# Allegro board WNS_FDM_2V1-1221P2.brd (continued)
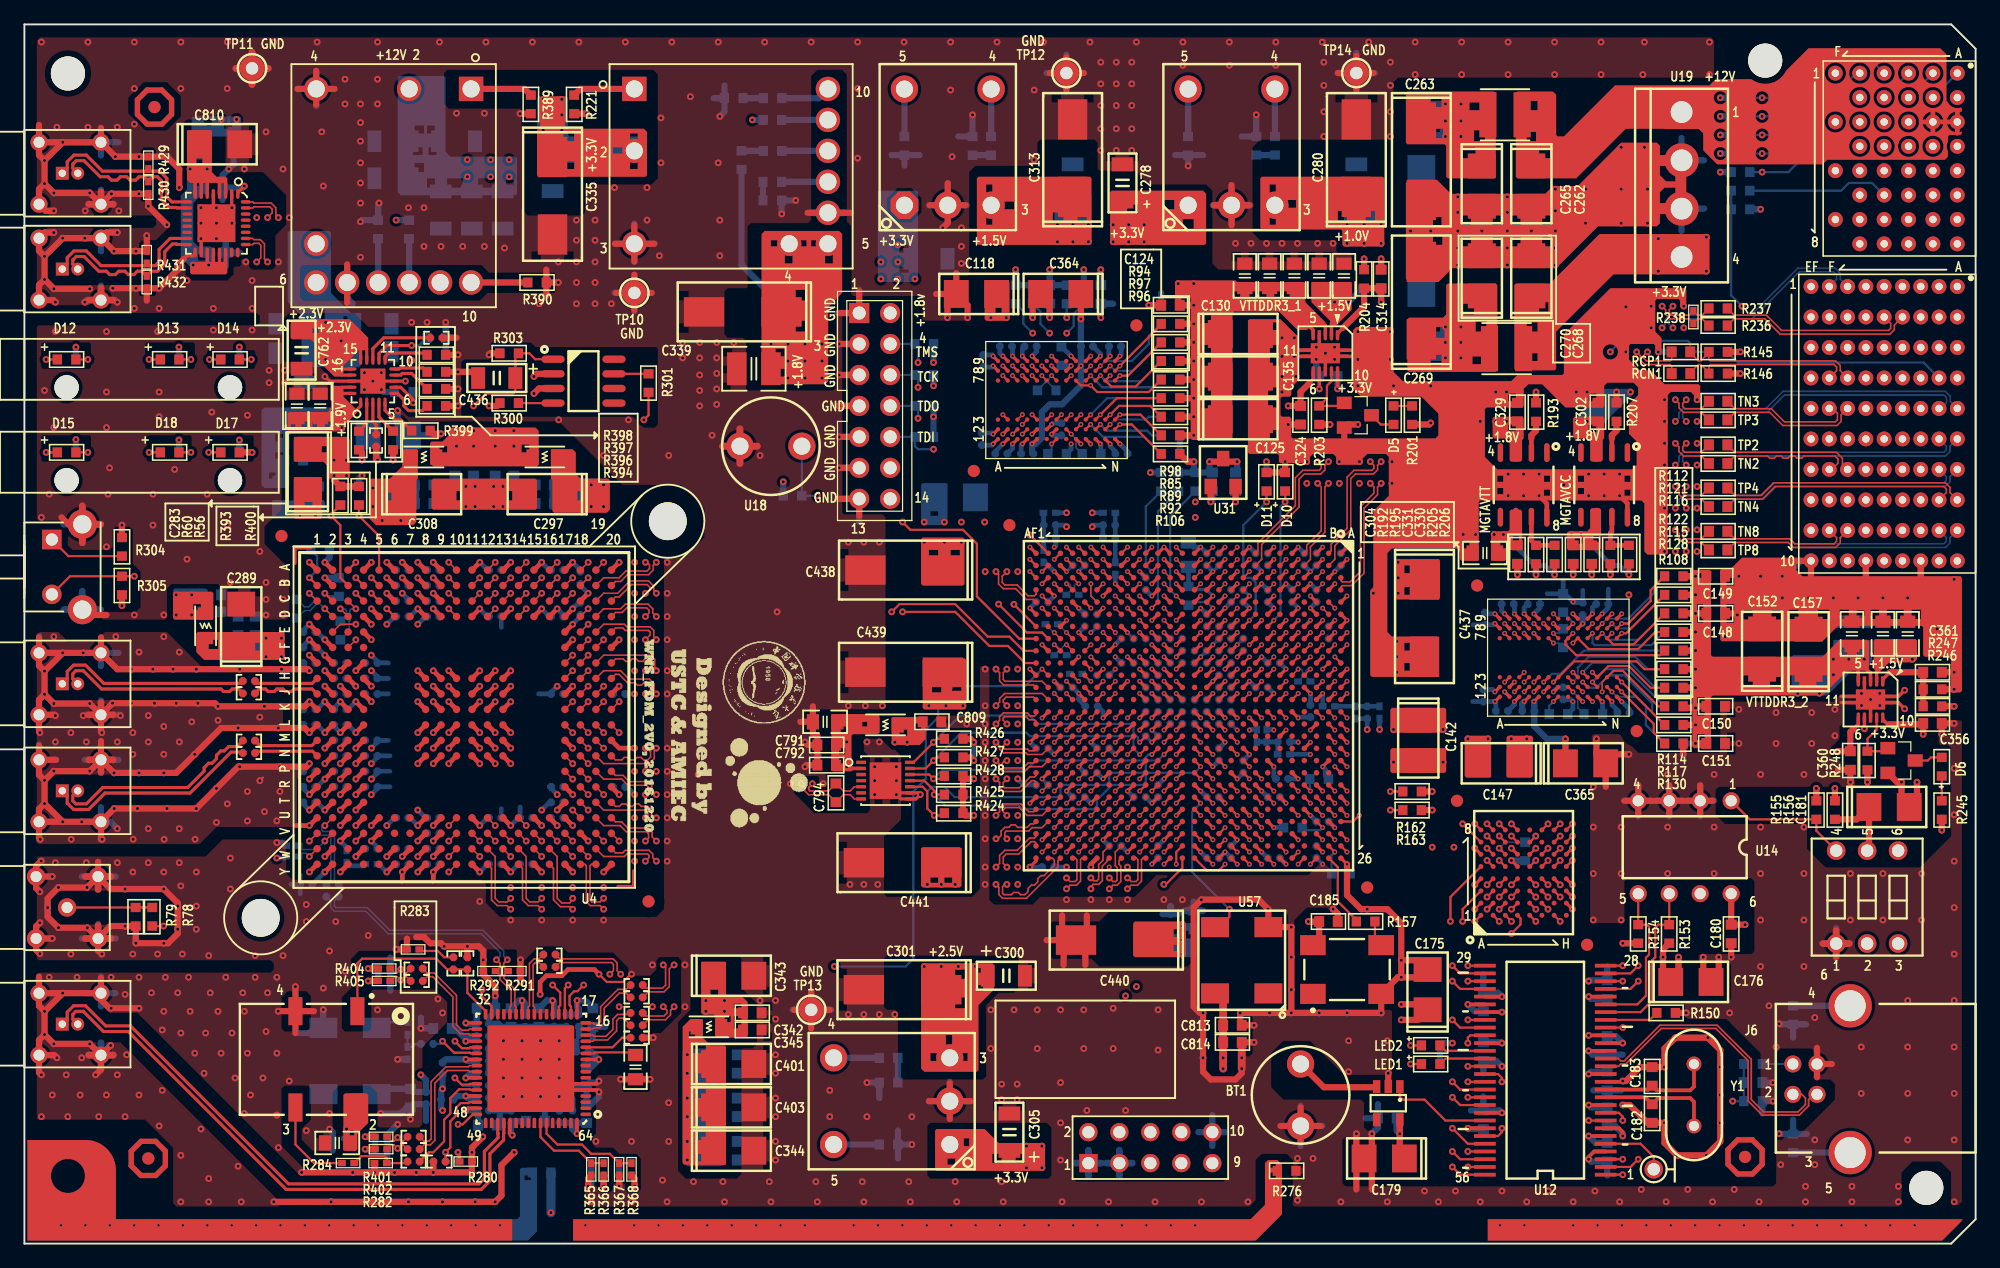
[diagram p0: board, top side]
## Placement (name value [footprint] x y rotation side) (continued)
NOREF  -  [unnamed]  3.57 95.97 0 top
NOREF#2  -  [#2]  158 0 90 top
NOREF#3  -  [unnamed#3]  80.77 58.93 0 top
NOREF#4  -  [unnamed#3]  51.18 28.07 0 top
NOREF#5  -  [unnamed#3]  141.1 7.11 0 top
NOREF#6  -  [unnamed#4]  16.86 64.9 270 top
NOREF#7  -  [unnamed]  142.75 97.03 0 top
NOREF#8  -  [unnamed]  155.96 4.57 0 top
NOREF#9  -  [unnamed#3]  128.14 24.51 0 top
NOREF#10  -  [unnamed#3]  91.19 75.31 0 top
NOREF#11  -  [unnamed#3]  132.21 42.04 0 top
NOREF#12  -  [unnamed#3]  110.11 29.21 0 top
NOREF#13  -  [unnamed#3]  21.08 58.04 0 top
NOREF#14  -  [#2]  0 0 0 top
NOREF#15  -  [unnamed#3]  77.85 63.37 0 top
NOREF#16  -  [unnamed#3]  10.67 93.22 0 top
NOREF#17  -  [unnamed#4]  16.86 72.52 270 top
NOREF#18  -  [#2]  160 2 90 top
NOREF#19  -  [unnamed#3]  117.47 36.32 0 top
NOREF#20  -  [unnamed#3]  10.16 6.99 0 top
NOREF#21  -  [unnamed#3]  119.13 53.98 0 top
NOREF#22  -  [unnamed#5]  36.07 43.18 270 top
NOREF#23  -  [#2]  0 0 0 top
NOREF#24  -  [unnamed#3]  10.16 6.99 180 bottom
NOREF#25  -  [unnamed#3]  141.1 7.11 180 bottom
NOREF#26  -  [unnamed#3]  10.67 93.22 180 bottom
Q1  AO3400  [SOT-23]  109.35 67.94 270 top
Q2  AO3400  [SOT-23]  153.92 39.62 270 top
R47  3.3k_0.1%  [SR0603]  25.91 50.29 90 bottom
R48  3.3k_0.1%  [SR0603]  22.35 52.07 270 bottom
R52  1k  [SR0402]  21.97 32.64 180 bottom
R53  1k  [SR0402]  21.97 31.75 180 bottom
R54  5k  [SR0603]  24.26 56.9 0 bottom
R56  1k  [SR0603]  27.43 61.34 90 top
R57  1k  [SR0603]  27.43 61.34 90 bottom
R58  1k  [SR0402]  26.42 31.75 90 bottom
R59  1k  [SR0402]  28.45 31.11 0 bottom
R60  1k  [SR0603]  25.91 61.34 90 top
R61  1k  [SR0603]  25.91 61.34 90 bottom
R78  0  [SR0603]  10.48 26.81 270 top
R79  open  [SR0603]  9.13 26.81 270 top
R83  50  [SR0603]  93.98 69.34 180 bottom
R84  50  [SR0603]  93.98 72.39 180 bottom
R85  50  [SR0603]  93.98 69.34 180 top
R86  50  [SR0603]  93.98 64.77 180 bottom
R87  50  [SR0603]  93.98 75.44 180 bottom
R88  50  [SR0603]  93.98 66.29 180 bottom
R89  50  [SR0603]  93.98 67.82 180 top
R90  50  [SR0603]  86.87 77.85 270 bottom
R91  50  [SR0603]  93.98 70.87 180 bottom
R92  50  [SR0603]  93.98 66.29 180 top
R93  50  [SR0603]  93.98 73.91 180 bottom
R94  50  [SR0603]  93.98 75.44 180 top
R95  50  [SR0603]  93.98 67.82 180 bottom
R96  50  [SR0603]  93.98 72.39 180 top
R97  50  [SR0603]  93.98 73.91 180 top
R98  50  [SR0603]  93.98 70.87 180 top
R99  100  [SR0603]  83.83 69.99 0 bottom
R100  4.7k  [SR0603]  87.5 64.77 180 bottom
R101  4.7k  [SR0603]  84.68 64.77 180 bottom
R102  240  [SR0603]  85.03 72.79 270 bottom
R103  50  [SR0603]  81.28 77.85 270 bottom
R104  50  [SR0603]  82.68 77.85 270 bottom
R105  50  [SR0603]  85.47 77.85 270 bottom
R106  4.7k  [SR0603]  93.98 64.77 180 top
R107  50  [SR0603]  135.25 45.59 180 bottom
R108  50  [SR0603]  135.25 45.59 180 top
R109  50  [SR0603]  135.25 42.55 180 bottom
R110  50  [SR0603]  135.25 54.74 180 bottom
R111  50  [SR0603]  135.25 53.21 180 bottom
R112  50  [SR0603]  135.25 54.74 180 top
R113  50  [SR0603]  135.25 41.02 180 bottom
R114  50  [SR0603]  135.25 44.07 180 top
R115  50  [SR0603]  135.25 48.64 180 top
R116  50  [SR0603]  135.25 51.69 180 top
R117  50  [SR0603]  135.25 42.55 180 top
R118  50  [SR0603]  135.25 51.69 180 bottom
R119  50  [SR0603]  135.25 44.07 180 bottom
R120  50  [SR0603]  135.25 50.16 180 bottom
R121  50  [SR0603]  135.25 53.21 180 top
R122  50  [SR0603]  135.25 50.16 180 top
R123  100  [SR0603]  126.18 49.66 90 bottom
R124  4.7k  [SR0603]  128.65 43.43 180 bottom
R125  4.7k  [SR0603]  125.79 43.43 180 bottom
R126  240  [SR0603]  126.18 52.55 270 bottom
R127  50  [SR0603]  135.25 48.64 180 bottom
R128  50  [SR0603]  135.25 47.12 180 top
R129  50  [SR0603]  135.25 47.12 180 bottom
R130  4.7k  [SR0603]  135.25 41.02 180 top
R132  100  [SR0603]  140.72 86.36 0 bottom
R133  200  [SR0603]  140.72 84.84 0 bottom
R145  10  [SR0603]  138.89 73.14 180 top
R146  10  [SR0603]  138.89 71.36 180 top
R147  60k  [SR0603]  141.75 11.68 180 bottom
R148  270  [SR0603]  115.32 14.73 0 bottom
R149  30k  [SR0603]  141.75 14.73 180 bottom
R150  10k  [SR0603]  134.62 18.92 180 top
R151  270  [SR0603]  115.32 16.26 0 bottom
R152  1M  [SR0603]  145.03 18.75 270 bottom
R153  2.2k  [SR0603]  134.87 25.4 270 top
R154  2.2k  [SR0603]  132.33 25.4 270 top
R155  10k  [SR0603]  146.94 35.56 90 top
R156  100k  [SR0603]  148.46 35.56 90 top
R157  0  [SR0603]  109.98 26.42 180 top
R159  1k  [SR0603]  107.95 30.35 180 bottom
R160  4.7k  [SR0603]  104.01 34.12 180 bottom
R161  4.7k  [SR0603]  106.17 38.1 180 bottom
R162  4.7k  [SR0603]  113.79 37.08 180 top
R163  4.7k  [SR0603]  113.79 35.56 0 top
R164  10k  [SR0603]  73.79 73.79 180 bottom
R165  10k  [SR0603]  73.79 71.25 180 bottom
R166  10k  [SR0603]  73.79 68.71 180 bottom
R167  10k  [SR0603]  73.79 66.17 180 bottom
R168  4.7k  [SR0603]  103.38 62.48 270 bottom
R169  4.7k  [SR0603]  62.99 61.34 0 bottom
R170  330  [SR0603]  101.85 62.48 270 bottom
R171  1k  [SR0603]  96.01 62.48 270 bottom
R172  1k  [SR0603]  93.22 62.48 270 bottom
R173  4.7k  [SR0603]  123.06 32.17 270 bottom
R174  1k  [SR0603]  94.61 62.48 270 bottom
R186  open  [SR0603]  95.43 90.04 270 bottom
R187  82k  [SR0603]  102.54 90.04 270 bottom
R188  3.9k  [SR0603]  101.02 90.04 90 bottom
R192  10k  [SR0603]  123.95 56.52 270 top
R193  400k  [SR0603]  123.95 68.2 90 top
R194  open  [SR0603]  70.87 8.13 0 bottom
R195  14k  [SR0603]  125.48 56.52 90 top
R196  2k  [SR0603]  70.87 15.24 0 bottom
R197  330  [SR0603]  70.87 13.21 180 bottom
R198  open  [SR0603]  72.16 90.04 270 bottom
R199  10k  [SR0603]  79.27 90.04 270 bottom
R200  1.5k  [SR0603]  77.75 90.04 90 bottom
R201  4.7k  [SR0603]  113.79 67.94 90 top
R202  10k  [SR0603]  110.49 78.23 0 bottom
R203  100k  [SR0603]  106.17 67.94 90 top
R204  10k  [SR0603]  109.86 79.12 90 top
R205  10k  [SR0603]  130.05 56.52 270 top
R206  10k  [SR0603]  131.57 56.52 90 top
R207  400k  [SR0603]  130.56 68.2 90 top
R209  4k  [SR0603]  61.33 87.09 180 bottom
R210  13k  [SR0603]  58.8 88.87 270 bottom
R213  68k  [SR0603]  61.35 89.63 180 bottom
R218  0  [SR0603]  61.34 92.17 180 bottom
R221  1k  [SR0603]  45.09 93.44 90 top
R222  800  [SR0603]  61.33 85.56 0 bottom
R223  150k  [SR0603]  61.35 93.95 180 bottom
R224  3.9k  [SR0603]  58.17 93.95 180 bottom
R225  100  [SR0603]  95.45 53.13 90 bottom
R229  5k  [SR0603]  140.72 92.46 0 bottom
R230  5k  [SR0603]  140.72 93.98 0 bottom
R231  5k  [SR0603]  140.72 90.93 0 bottom
R232  5k  [SR0603]  140.72 89.41 0 bottom
R233  5k  [SR0603]  140.72 87.88 0 bottom
R234  10  [SR0603]  138.89 76.7 0 bottom
R235  10  [SR0603]  138.89 75.3 0 bottom
R236  10  [SR0603]  138.89 75.3 0 top
R237  10  [SR0603]  138.89 76.7 0 top
R238  100  [SR0402]  136.86 76 270 top
R245  4.7k  [SR0603]  157.23 35.56 90 top
R246  10k  [SR0603]  156.46 44.07 180 top
R247  10k  [SR0603]  156.46 45.47 0 top
R248  100k  [SR0603]  151.13 39.62 90 top
R276  1M  [SR0603]  103.5 5.97 0 top
R277  1M  [SR0603]  42.42 5.84 0 bottom
R278  1M  [SR0603]  145.03 8.23 90 bottom
R279  50  [SR0402]  31.41 17.65 270 bottom
R280  620  [SR0402]  36.2 6.73 0 top
R281  120  [SR0402]  31.41 15.62 270 bottom
R282  100  [SR0402]  29.21 6.6 180 top
R283  39k  [SR0402]  31.88 24.13 0 top
R284  120  [SR0402]  26.54 6.6 0 top
R291  240  [SR0402]  40.17 22.35 0 top
R292  240  [SR0402]  38.14 22.35 0 top
R298  100  [SR0603]  138.89 73.14 0 bottom
R299  200  [SR0603]  135.84 73.14 180 bottom
R300  10k  [SR0603]  39.75 68.94 0 top
R301  33  [SR0603]  51.18 70.58 270 top
R303  200k  [SR0603]  39.75 73.03 180 top
R304  100  [SR0603]  8 57.15 270 top
R305  47k  [SR0603]  8 53.98 90 top
R306  1k  [SR0603]  3.46 72.52 180 bottom
R307  1k  [SR0603]  11.91 72.52 180 bottom
R365  1k  [SR0402]  46.48 6.1 90 top
R366  1k  [SR0402]  47.5 6.1 90 top
R367  1k  [SR0402]  48.77 6.1 90 top
R368  1k  [SR0402]  49.78 6.1 90 top
R369  100  [SR0402]  84.95 48.26 0 bottom
R388  Rset  [SR0603]  29.01 83.19 90 bottom
R389  0  [SR0603]  41.53 93.44 90 top
R390  open  [SR0603]  42.04 78.83 0 top
R391  Rtt  [SR0603]  31.55 83.19 90 bottom
R392  open  [SR0603]  33.78 74.3 0 bottom
R393  open  [SR0603]  27.44 65.87 90 top
R394  0  [SR0603]  33.78 68.71 0 top
R395  0  [SR0603]  31.11 69.85 180 bottom
R396  open  [SR0603]  33.78 70.1 0 top
R397  0  [SR0603]  33.78 71.5 0 top
R398  open  [SR0603]  33.78 72.9 0 top
R399  open  [SR0603]  32.51 66.67 0 top
R400  50k  [SR0603]  30.23 65.87 90 top
R401  50  [SR0402]  29.25 8.76 180 top
R402  50  [SR0402]  29.25 7.75 0 top
R403  50  [SR0402]  29.25 8.76 0 bottom
R404  50  [SR0402]  29.5 22.56 180 top
R405  50  [SR0402]  29.5 21.54 0 top
R406  50  [SR0402]  29.5 21.54 0 bottom
R407  0  [SR0603]  25.78 53.85 90 bottom
R408  100  [SR0402]  88.95 59.94 0 bottom
R409  100  [SR0402]  88.95 57.91 180 bottom
R410  77  [SR0402]  89.45 55.37 270 bottom
R411  100  [SR0402]  84.07 59.94 180 bottom
R412  77  [SR0402]  83.57 56.39 270 bottom
R413  100  [SR0402]  84.07 57.91 0 bottom
R414  100  [SR0402]  111.12 43.56 90 bottom
R415  77  [SR0402]  106.96 44.07 180 bottom
R416  100  [SR0402]  109.09 43.56 270 bottom
R417  100  [SR0402]  103.28 40.13 180 bottom
R418  77  [SR0402]  101.07 41.66 90 bottom
R419  100  [SR0402]  101.85 41.66 90 bottom
R422  100  [SR0402]  85.95 53.21 180 bottom
R423  100  [SR0402]  104.95 46.1 180 bottom
R424  10k  [SR0603]  76.2 35.31 180 top
R425  10k  [SR0603]  76.2 36.83 180 top
R426  10k  [SR0603]  76.2 41.4 180 top
R427  1.3k  [SR0603]  76.2 39.88 180 top
R428  1.3k  [SR0603]  76.2 38.35 180 top
R429  150  [SR0402]  10.16 88.65 270 top
R430  150  [SR0402]  10.16 86.61 270 top
R431  150  [SR0402]  10.03 80.9 270 top
R432  150  [SR0402]  10.03 78.87 270 top
R433  100  [SR0402]  86.23 46.74 0 bottom
R434  100  [SR0402]  84.24 50.8 180 bottom
R435  1k  [SR0603]  16.86 72.52 180 bottom
R436  1k  [SR0603]  3.46 64.9 180 bottom
R438  4.7k  [SR0603]  16.86 64.9 180 bottom
R439  1k  [SR0603]  11.91 64.9 180 bottom
RCN1  0.1uF  [SC0603]  135.84 71.36 0 top
RCP1  0.1uF  [SC0603]  135.84 73.14 0 top
SW1  SW DIP3  [SWITCH-3P-DIP]  146.56 23.62 0 top
TN1  0.1uF  [SC0603]  138.89 67.56 0 bottom
TN2  0.1uF  [SC0603]  138.89 63.99 0 top
TN3  0.1uF  [SC0603]  138.89 69.09 0 top
TN4  0.1uF  [SC0603]  138.89 60.45 0 top
TN5  0.1uF  [SC0603]  138.89 65.51 0 bottom
TN6  0.1uF  [SC0603]  138.89 58.42 0 bottom
TN7  0.1uF  [SC0603]  138.89 61.98 0 bottom
TN8  0.1uF  [SC0603]  138.89 58.42 0 top
TP1  0.1uF  [SC0603]  138.89 69.09 0 bottom
TP2  0.1uF  [SC0603]  138.89 65.51 0 top
TP3  0.1uF  [SC0603]  138.89 67.56 0 top
TP4  0.1uF  [SC0603]  138.89 61.98 0 top
TP5  0.1uF  [SC0603]  138.89 63.99 0 bottom
TP6  0.1uF  [SC0603]  138.89 56.9 0 bottom
TP7  0.1uF  [SC0603]  138.89 60.45 0 bottom
TP8  0.1uF  [SC0603]  138.89 56.9 0 top
TP9  Point_test  [TP_40MIL]  133.6 6.1 270 top
TP10  Point_test  [GND40]  50.01 77.98 0 top
TP11  Point_test  [GND40]  18.67 96.39 0 top
TP12  Point_test  [GND40]  85.45 96.01 0 top
TP13  Point_test  [GND40]  64.52 19.18 180 top
TP14  Point_test  [GND40]  109.22 96.01 0 top
U4  ADC12D1000CIUT/NOPB  [BGA292-2020]  36.07 43.18 270 top
U6  CCHD-575-100M  [OX_750_508]  26.71 14.99 90 bottom
U10  MT41J512M8RH-125  [FBGA_78]  84.63 69.19 90 top
U11  MT41J512M8RH-125  [FBGA_78]  125.78 48.06 90 top
U12  CY7C68013A  [SOP56-25-300]  124.71 14.22 90 top
U13  TPS3820-33  [TPS3820-33-SOT23]  113.28 12.32 180 top
U14  24LC64  [DIP8-100-300]  136.14 32.51 180 top
U15  xc7k160tffg676pkg  [FFG676]  95.45 44.12 270 top
U16  Osc  [OSC7050]  108.46 22.48 90 top
U17  -  [MT28GU]  122.94 30.43 90 top
U18  PushButton  [INDC2-200-M]  61.21 65.41 0 top
U19  powerconnector  [SIP-4P-156]  135.89 86.87 270 top
U24  PTH04070W  [R-PDSS-T5_EVD]  98.98 89.93 90 top
U26  SC4215A  [SOIC-8-EDP]  122.94 62.23 270 top
U27  PTH04070W  [R-PDSS-T5_EVD]  71.12 11.68 180 top
U28  PTH04070W  [R-PDSS-T5_EVD]  75.72 89.93 90 top
U29  TPS51200  [SON-10]  106.68 73.03 180 top
U30  SC4215A  [SOIC-8-EDP]  129.54 62.23 270 top
U31  AP7333-18SA  [SOT23]  98.3 63.25 0 top
U32  PTH04T230W  [R-PDSS-T10_CZ]  50.01 94.71 0 top
U33  TPS51200  [SON-10]  151.38 44.63 180 top
U34  LMK0482X  [WQFN-64]  41.57 14.35 180 top
U35  -  [CVHD-950_VCXO]  24.77 15.11 270 top
U36  ADM706R  [8SOIC_ADM706]  45.85 70.74 0 top
U57  CCHD-575  [OX_750_508]  99.82 23.24 90 top
U58  PTH08T231W  [R-PDSS-T10_CZ]  36.63 94.71 270 top
U59  -  [TPS7A85]  28.57 70.74 90 top
U60  LM95213  [WSON]  70.61 37.97 270 top
U62  DS90LV804  [DS90LV804_WQFN]  15.75 83.69 270 top
U63  Push_bottom_B3F  [B3F_09]  2.25 55.5 270 top
XJ3  XJ3  [PXI_XP3]  152.5 67.25 90 top
XJ4  XJ4  [PXI_XP4]  153.5 89 90 top
Y1  24MHz  [XTAL2-200A]  136.91 12.19 270 top

## Library data of the parts
BT1 = Button
C18-C76 C78-C82 C92-C101 C281 C282 C284 C285 C287 C288 C290 C294-C296 C298 C299 C306 C307 C309 C310 C342 C345-C347 C434 C435 C447-C450 C756 C757 C779-C786 C809 C811-C814 = CAP NP_0
C111-C114 C116 C117 C119-C124 C136-C141 C143-C146 C148-C151 C163 C164 C177 C314 C315 C324 C356 C360 C361 C759 C762 = CAP NP
C115 C118 C125 C130 C135 C142 C147 C152 C157 C162 C184-C203 C205-C225 C227 C233 C239 C245 C246 C248-C251 C278-C280 C283 C286 C289 C297 C300-C302 C304 C305 C308 C311-C313 C318-C320 C325-C333 C335 C336 C339 C343 C344 C364-C371 C374 C377 C379-C381 C384 C385 C391-C397 C406-C410 C412-C424 C426 C427 C430 C431 C437-C441 C758 C763 C764 C767 C774-C777 C791 C792 C794 C806 C810 = C
C167-C174 C178 C180 C182 C183 = Capacitor np
C175 C176 C181 C436 = CAP POL
C179 = Capacitor pol
C262-C265 C268-C271 C401 C403 = CAP
C303 C340 C341 C411 C425 C793 = C: Tolerance: tol*
C316 C317 C321-C323 C357-C359 C362 C363 C760 C761 = CAP NP: Tolerance: tol*
C432 C433 C453 C454 C770-C773 C787-C790 = C: signal model: C_SC0402_0.1UF_0.1uF
C765 C766 C768 C769 = C: signal model: C_SC0402_0.1U_0.1u
D5 D6 D10-D15 D17 D18 = LED
J4 = LEMO00_S
J6 = USB_B
J7 = JTAG_14A
J8 J9 J11 J15 J16 = LEMO00_d
J14 = Test_port
L10 L12 = INDUCTOR
L14-L18 L20 L21 = INDUCTOR: Tolerance: tol*
LED1 LED2 = Diode-Light-emitt
Q1 Q2 = NDS351N/SOT
R47 R48 R52-R54 R56-R61 R78 R79 R99-R102 R106 R123-R126 R130 R132 R133 R145 R146 R157 R159-R174 R186-R188 R192-R207 R209 R210 R213 R218 R221-R225 R229-R233 R245-R248 R276 R277 R279-R284 R298-R301 R303-R307 R365-R369 R388-R391 R393-R419 R422-R428 R433-R436 R438 R439 = R
R83-R98 R103-R105 R107-R122 R127-R129 = R: signal model: R_SR0603_50_50
R147-R152 R155 R156 R278 = RESISTOR
R153 R154 R392 = Resistor
R234-R237 = R: signal model: R_SR0603_10_10
R238 = R: signal model: R_SR0402_100_100
R291 R292 = R: signal model: R_SR0402_240_240
R429-R432 = R: signal model: R_SR0402_150_150
RCN1 RCP1 TN1-TN8 TP1-TP8 = C: signal model: C_SC0603_0.1UF_0.1uF
SW1 = SW DIP3
TP9-TP14 = Point_test
U4 = ADC12D1800CIUT/NOPB
U6 U57 = CCHD-575
U10 U11 = MT41K512M8RH-125
U12 = CY7C68013A
U13 = TPS3820-33
U14 = 24LC64
U15 = xc7k160tffg676pkg
U16 = Osc
U17 = 256_512_1Gb_flash_memory
U18 = PushButton
U19 = powerconnector_1
U24 U27 U28 = PTH04070W
U26 U30 = SC4215A
U29 U33 = TPS51200
U31 = AP733318SA
U32 U58 = PTH04T230W
U34 = LMK0482X
U35 = CVHD-950_VCXO
U36 = ADM706R
U59 = TPS7A85
U60 = LM95213
U62 = DS90LV804
U63 = Push_bottom_B3F
XJ3 = PXI_XP3
XJ4 = PXI_XP4_HY
Y1 = Crystal

## Footprints (pads in the part's own frame, mm; a bottom-side part is the same pattern mirrored in y, then rotated)
8SOIC_ADM706
  oval 1.9x0.6 smd: 1(-2.5,1.8) 2(-2.5,0.6) 3(-2.5,-0.6) 4(-2.5,-1.8) 5(2.5,-1.8) 6(2.5,-0.6) 7(2.5,0.6) 8(2.5,1.8)
B3F_09
  rect 1.6x1.6 hole 1: 1(-2.25,0)
  round 1.6 hole 1: 2(2.25,0)
  round 2.4 hole 1.5: 3(-3.5,2.5) 4(3.5,2.5)
BGA292-2020
  round 0.61 smd: A1(-12.065,-12.065) A2(-12.065,-10.795) A3(-12.065,-9.525) A4(-12.065,-8.255) A5(-12.065,-6.985) A6(-12.065,-5.715) A7(-12.065,-4.445) A8(-12.065,-3.175) A9(-12.065,-1.905) A10(-12.065,-0.635) A11(-12.065,0.635) A12(-12.065,1.905) A13(-12.065,3.175) A14(-12.065,4.445) A15(-12.065,5.715) A16(-12.065,6.985) A17(-12.065,8.255) A18(-12.065,9.525) A19(-12.065,10.795) A20(-12.065,12.065) B1(-10.795,-12.065) B2(-10.795,-10.795) B3(-10.795,-9.525) B4(-10.795,-8.255) B5(-10.795,-6.985) B6(-10.795,-5.715) B7(-10.795,-4.445) B8(-10.795,-3.175) B9(-10.795,-1.905) B10(-10.795,-0.635) B11(-10.795,0.635) B12(-10.795,1.905) B13(-10.795,3.175) B14(-10.795,4.445) B15(-10.795,5.715) B16(-10.795,6.985) B17(-10.795,8.255) B18(-10.795,9.525) B19(-10.795,10.795) B20(-10.795,12.065) C1(-9.525,-12.065) C2(-9.525,-10.795) C3(-9.525,-9.525) C4(-9.525,-8.255) C5(-9.525,-6.985) C6(-9.525,-5.715) C7(-9.525,-4.445) C8(-9.525,-3.175) C9(-9.525,-1.905) C10(-9.525,-0.635) C11(-9.525,0.635) C12(-9.525,1.905) C13(-9.525,3.175) C14(-9.525,4.445) C15(-9.525,5.715) C16(-9.525,6.985) C17(-9.525,8.255) C18(-9.525,9.525) C19(-9.525,10.795) C20(-9.525,12.065) D1(-8.255,-12.065) D2(-8.255,-10.795) D3(-8.255,-9.525) D4(-8.255,-8.255) D5(-8.255,-6.985) D6(-8.255,-5.715) D7(-8.255,-4.445) D8(-8.255,-3.175) D9(-8.255,-1.905) D10(-8.255,-0.635) D11(-8.255,0.635) D12(-8.255,1.905) D13(-8.255,3.175) D14(-8.255,4.445) D15(-8.255,5.715) D16(-8.255,6.985) D17(-8.255,8.255) D18(-8.255,9.525) D19(-8.255,10.795) D20(-8.255,12.065) E1(-6.985,-12.065) E2(-6.985,-10.795) E3(-6.985,-9.525) E4(-6.985,-8.255) E17(-6.985,8.255) E18(-6.985,9.525) E19(-6.985,10.795) E20(-6.985,12.065) F1(-5.715,-12.065) F2(-5.715,-10.795) F3(-5.715,-9.525) F4(-5.715,-8.255) F17(-5.715,8.255) F18(-5.715,9.525) F19(-5.715,10.795) F20(-5.715,12.065) G1(-4.445,-12.065) G2(-4.445,-10.795) G3(-4.445,-9.525) G4(-4.445,-8.255) G17(-4.445,8.255) G18(-4.445,9.525) G19(-4.445,10.795) G20(-4.445,12.065) H1(-3.175,-12.065) H2(-3.175,-10.795) H3(-3.175,-9.525) H4(-3.175,-8.255) H8(-3.175,-3.175) H9(-3.175,-1.905) H10(-3.175,-0.635) H11(-3.175,0.635) H12(-3.175,1.905) H13(-3.175,3.175) H17(-3.175,8.255) H18(-3.175,9.525) H19(-3.175,10.795) H20(-3.175,12.065) J1(-1.905,-12.065) J2(-1.905,-10.795) J3(-1.905,-9.525) J4(-1.905,-8.255) J8(-1.905,-3.175) J9(-1.905,-1.905) J10(-1.905,-0.635) J11(-1.905,0.635) J12(-1.905,1.905) J13(-1.905,3.175) J17(-1.905,8.255) J18(-1.905,9.525) J19(-1.905,10.795) J20(-1.905,12.065) K1(-0.635,-12.065) K2(-0.635,-10.795) K3(-0.635,-9.525) K4(-0.635,-8.255) K8(-0.635,-3.175) K9(-0.635,-1.905) K10(-0.635,-0.635) K11(-0.635,0.635) K12(-0.635,1.905) K13(-0.635,3.175) K17(-0.635,8.255) K18(-0.635,9.525) K19(-0.635,10.795) K20(-0.635,12.065) L1(0.635,-12.065) L2(0.635,-10.795) L3(0.635,-9.525) L4(0.635,-8.255) L8(0.635,-3.175) L9(0.635,-1.905) L10(0.635,-0.635) L11(0.635,0.635) L12(0.635,1.905) L13(0.635,3.175) L17(0.635,8.255) L18(0.635,9.525) L19(0.635,10.795) L20(0.635,12.065) M1(1.905,-12.065) M2(1.905,-10.795) M3(1.905,-9.525) M4(1.905,-8.255) M8(1.905,-3.175) M9(1.905,-1.905) M10(1.905,-0.635) M11(1.905,0.635) M12(1.905,1.905) M13(1.905,3.175) M17(1.905,8.255) M18(1.905,9.525) M19(1.905,10.795) M20(1.905,12.065) N1(3.175,-12.065) N2(3.175,-10.795) N3(3.175,-9.525) N4(3.175,-8.255) N8(3.175,-3.175) N9(3.175,-1.905) N10(3.175,-0.635) N11(3.175,0.635) N12(3.175,1.905) N13(3.175,3.175) N17(3.175,8.255) N18(3.175,9.525) N19(3.175,10.795) N20(3.175,12.065) P1(4.445,-12.065) P2(4.445,-10.795) P3(4.445,-9.525) P4(4.445,-8.255) P17(4.445,8.255) P18(4.445,9.525) P19(4.445,10.795) P20(4.445,12.065) R1(5.715,-12.065) R2(5.715,-10.795) R3(5.715,-9.525) R4(5.715,-8.255) R17(5.715,8.255) R18(5.715,9.525) R19(5.715,10.795) R20(5.715,12.065) T1(6.985,-12.065) T2(6.985,-10.795) T3(6.985,-9.525) T4(6.985,-8.255) T17(6.985,8.255) T18(6.985,9.525) T19(6.985,10.795) T20(6.985,12.065) U1(8.255,-12.065) U2(8.255,-10.795) U3(8.255,-9.525) U4(8.255,-8.255) U5(8.255,-6.985) U6(8.255,-5.715) U7(8.255,-4.445) U8(8.255,-3.175) U9(8.255,-1.905) U10(8.255,-0.635) U11(8.255,0.635) U12(8.255,1.905) U13(8.255,3.175) U14(8.255,4.445) U15(8.255,5.715) U16(8.255,6.985) U17(8.255,8.255) U18(8.255,9.525) U19(8.255,10.795) U20(8.255,12.065) V1(9.525,-12.065) V2(9.525,-10.795) V3(9.525,-9.525) V4(9.525,-8.255) V5(9.525,-6.985) V6(9.525,-5.715) V7(9.525,-4.445) V8(9.525,-3.175) V9(9.525,-1.905) V10(9.525,-0.635) V11(9.525,0.635) V12(9.525,1.905) V13(9.525,3.175) V14(9.525,4.445) V15(9.525,5.715) V16(9.525,6.985) V17(9.525,8.255) V18(9.525,9.525) V19(9.525,10.795) V20(9.525,12.065) W1(10.795,-12.065) W2(10.795,-10.795) W3(10.795,-9.525) W4(10.795,-8.255) W5(10.795,-6.985) W6(10.795,-5.715) W7(10.795,-4.445) W8(10.795,-3.175) W9(10.795,-1.905) W10(10.795,-0.635) W11(10.795,0.635) W12(10.795,1.905) W13(10.795,3.175) W14(10.795,4.445) W15(10.795,5.715) W16(10.795,6.985) W17(10.795,8.255) W18(10.795,9.525) W19(10.795,10.795) W20(10.795,12.065) Y1(12.065,-12.065) Y2(12.065,-10.795) Y3(12.065,-9.525) Y4(12.065,-8.255) Y5(12.065,-6.985) Y6(12.065,-5.715) Y7(12.065,-4.445) Y8(12.065,-3.175) Y9(12.065,-1.905) Y10(12.065,-0.635) Y11(12.065,0.635) Y12(12.065,1.905) Y13(12.065,3.175) Y14(12.065,4.445) Y15(12.065,5.715) Y16(12.065,6.985) Y17(12.065,8.255) Y18(12.065,9.525) Y19(12.065,10.795) Y20(12.065,12.065)
CON-BNC-SD
  round 1.5 hole 0.9: 1(0,0) 2(-2.54,2.54) 3(2.54,2.54) 4(2.54,-2.54) 5(-2.54,-2.54)
CONNECTOR_254_40_10
  rect 1.5x1.5 hole 1: 1(0,0)
  round 1.5 hole 1: 2(0,2.54) 3(2.54,0) 4(2.54,2.54) 5(5.08,0) 6(5.08,2.54) 7(7.62,0) 8(7.62,2.54) 9(10.16,0) 10(10.16,2.54)
CVHD-950_VCXO
  rect 2.3x1.15 smd: 1(-3.95,2.54) 2(-3.95,-2.54) 3(3.95,-2.54) 4(3.95,2.54)
DIP8-100-300
  round 1.397 hole 0.914: 1(-3.81,-3.81) 2(-1.27,-3.81) 3(1.27,-3.81) 4(3.81,-3.81) 5(3.81,3.81) 6(1.27,3.81) 7(-1.27,3.81) 8(-3.81,3.81)
DS90LV804_WQFN
  oval 0.8x0.28 smd: (2.4,1.75) (2.4,1.25) 1(-2.4,1.75) 2(-2.4,1.25) 3(-2.4,0.75) 4(-2.4,0.25) 5(-2.4,-0.25) 6(-2.4,-0.75) 7(-2.4,-1.25) 8(-2.4,-1.75) 17(2.4,-1.75) 18(2.4,-1.25) 19(2.4,-0.75) 20(2.4,-0.25) 21(2.4,0.25) 22(2.4,0.75)
  oval 0.28x0.8 smd: 9(-1.75,-2.4) 10(-1.25,-2.4) 11(-0.75,-2.4) 12(-0.25,-2.4) 13(0.25,-2.4) 14(0.75,-2.4) 15(1.25,-2.4) 16(1.75,-2.4) 25(1.75,2.4) 26(1.25,2.4) 27(0.75,2.4) 28(0.25,2.4) 29(-0.25,2.4) 30(-0.75,2.4) 31(-1.25,2.4) 32(-1.75,2.4)
  rect 3.1x3.1 smd: 33(0,0)
EPG_00_302_HLN
  rect 1.05x1.05 hole 0.6: 1(0.635,0)
  round 1.05 hole 0.6: 2(-0.635,0)
  round 1.4 hole 0.899: 3(2.54,2.54) 4(-2.54,2.54) 5(-2.54,-2.54) 6(2.54,-2.54)
FBGA_78
  round 0.35 smd: A1(-3.2,4.8) A2(-2.4,4.8) A3(-1.6,4.8) A7(1.6,4.8) A8(2.4,4.8) A9(3.2,4.8) B1(-3.2,4) B2(-2.4,4) B3(-1.6,4) B7(1.6,4) B8(2.4,4) B9(3.2,4) C1(-3.2,3.2) C2(-2.4,3.2) C3(-1.6,3.2) C7(1.6,3.2) C8(2.4,3.2) C9(3.2,3.2) D1(-3.2,2.4) D2(-2.4,2.4) D3(-1.6,2.4) D7(1.6,2.4) D8(2.4,2.4) D9(3.2,2.4) E1(-3.2,1.6) E2(-2.4,1.6) E3(-1.6,1.6) E7(1.6,1.6) E8(2.4,1.6) E9(3.2,1.6) F1(-3.2,0.8) F2(-2.4,0.8) F3(-1.6,0.8) F7(1.6,0.8) F8(2.4,0.8) F9(3.2,0.8) G1(-3.2,0) G2(-2.4,0) G3(-1.6,0) G7(1.6,0) G8(2.4,0) G9(3.2,0) H1(-3.2,-0.8) H2(-2.4,-0.8) H3(-1.6,-0.8) H7(1.6,-0.8) H8(2.4,-0.8) H9(3.2,-0.8) J1(-3.2,-1.6) J2(-2.4,-1.6) J3(-1.6,-1.6) J7(1.6,-1.6) J8(2.4,-1.6) J9(3.2,-1.6) K1(-3.2,-2.4) K2(-2.4,-2.4) K3(-1.6,-2.4) K7(1.6,-2.4) K8(2.4,-2.4) K9(3.2,-2.4) L1(-3.2,-3.2) L2(-2.4,-3.2) L3(-1.6,-3.2) L7(1.6,-3.2) L8(2.4,-3.2) L9(3.2,-3.2) M1(-3.2,-4) M2(-2.4,-4) M3(-1.6,-4) M7(1.6,-4) M8(2.4,-4) M9(3.2,-4) N1(-3.2,-4.8) N2(-2.4,-4.8) N3(-1.6,-4.8) N7(1.6,-4.8) N8(2.4,-4.8) N9(3.2,-4.8)
FFG676
  round 0.45 smd: A1(-12.5,12.5) A2(-11.5,12.5) A3(-10.5,12.5) A4(-9.5,12.5) A5(-8.5,12.5) A6(-7.5,12.5) A7(-6.5,12.5) A8(-5.5,12.5) A9(-4.5,12.5) A10(-3.5,12.5) A11(-2.5,12.5) A12(-1.5,12.5) A13(-0.5,12.5) A14(0.5,12.5) A15(1.5,12.5) A16(2.5,12.5) A17(3.5,12.5) A18(4.5,12.5) A19(5.5,12.5) A20(6.5,12.5) A21(7.5,12.5) A22(8.5,12.5) A23(9.5,12.5) A24(10.5,12.5) A25(11.5,12.5) A26(12.5,12.5) AA1(-12.5,-7.5) AA2(-11.5,-7.5) AA3(-10.5,-7.5) AA4(-9.5,-7.5) AA5(-8.5,-7.5) AA6(-7.5,-7.5) AA7(-6.5,-7.5) AA8(-5.5,-7.5) AA9(-4.5,-7.5) AA10(-3.5,-7.5) AA11(-2.5,-7.5) AA12(-1.5,-7.5) AA13(-0.5,-7.5) AA14(0.5,-7.5) AA15(1.5,-7.5) AA16(2.5,-7.5) AA17(3.5,-7.5) AA18(4.5,-7.5) AA19(5.5,-7.5) AA20(6.5,-7.5) AA21(7.5,-7.5) AA22(8.5,-7.5) AA23(9.5,-7.5) AA24(10.5,-7.5) AA25(11.5,-7.5) AA26(12.5,-7.5) AB1(-12.5,-8.5) AB2(-11.5,-8.5) AB3(-10.5,-8.5) AB4(-9.5,-8.5) AB5(-8.5,-8.5) AB6(-7.5,-8.5) AB7(-6.5,-8.5) AB8(-5.5,-8.5) AB9(-4.5,-8.5) AB10(-3.5,-8.5) AB11(-2.5,-8.5) AB12(-1.5,-8.5) AB13(-0.5,-8.5) AB14(0.5,-8.5) AB15(1.5,-8.5) AB16(2.5,-8.5) AB17(3.5,-8.5) AB18(4.5,-8.5) AB19(5.5,-8.5) AB20(6.5,-8.5) AB21(7.5,-8.5) AB22(8.5,-8.5) AB23(9.5,-8.5) AB24(10.5,-8.5) AB25(11.5,-8.5) AB26(12.5,-8.5) AC1(-12.5,-9.5) AC2(-11.5,-9.5) AC3(-10.5,-9.5) AC4(-9.5,-9.5) AC5(-8.5,-9.5) AC6(-7.5,-9.5) AC7(-6.5,-9.5) AC8(-5.5,-9.5) AC9(-4.5,-9.5) AC10(-3.5,-9.5) AC11(-2.5,-9.5) AC12(-1.5,-9.5) AC13(-0.5,-9.5) AC14(0.5,-9.5) AC15(1.5,-9.5) AC16(2.5,-9.5) AC17(3.5,-9.5) AC18(4.5,-9.5) AC19(5.5,-9.5) AC20(6.5,-9.5) AC21(7.5,-9.5) AC22(8.5,-9.5) AC23(9.5,-9.5) AC24(10.5,-9.5) AC25(11.5,-9.5) AC26(12.5,-9.5) AD1(-12.5,-10.5) AD2(-11.5,-10.5) AD3(-10.5,-10.5) AD4(-9.5,-10.5) AD5(-8.5,-10.5) AD6(-7.5,-10.5) AD7(-6.5,-10.5) AD8(-5.5,-10.5) AD9(-4.5,-10.5) AD10(-3.5,-10.5) AD11(-2.5,-10.5) AD12(-1.5,-10.5) AD13(-0.5,-10.5) AD14(0.5,-10.5) AD15(1.5,-10.5) AD16(2.5,-10.5) AD17(3.5,-10.5) AD18(4.5,-10.5) AD19(5.5,-10.5) AD20(6.5,-10.5) AD21(7.5,-10.5) AD22(8.5,-10.5) AD23(9.5,-10.5) AD24(10.5,-10.5) AD25(11.5,-10.5) AD26(12.5,-10.5) AE1(-12.5,-11.5) AE2(-11.5,-11.5) AE3(-10.5,-11.5) AE4(-9.5,-11.5) AE5(-8.5,-11.5) AE6(-7.5,-11.5) AE7(-6.5,-11.5) AE8(-5.5,-11.5) AE9(-4.5,-11.5) AE10(-3.5,-11.5) AE11(-2.5,-11.5) AE12(-1.5,-11.5) AE13(-0.5,-11.5) AE14(0.5,-11.5) AE15(1.5,-11.5) AE16(2.5,-11.5) AE17(3.5,-11.5) AE18(4.5,-11.5) AE19(5.5,-11.5) AE20(6.5,-11.5) AE21(7.5,-11.5) AE22(8.5,-11.5) AE23(9.5,-11.5) AE24(10.5,-11.5) AE25(11.5,-11.5) AE26(12.5,-11.5) AF1(-12.5,-12.5) AF2(-11.5,-12.5) AF3(-10.5,-12.5) AF4(-9.5,-12.5) AF5(-8.5,-12.5) AF6(-7.5,-12.5) AF7(-6.5,-12.5) AF8(-5.5,-12.5) AF9(-4.5,-12.5) AF10(-3.5,-12.5) AF11(-2.5,-12.5) AF12(-1.5,-12.5) AF13(-0.5,-12.5) AF14(0.5,-12.5) AF15(1.5,-12.5) AF16(2.5,-12.5) AF17(3.5,-12.5) AF18(4.5,-12.5) AF19(5.5,-12.5) AF20(6.5,-12.5) AF21(7.5,-12.5) AF22(8.5,-12.5) AF23(9.5,-12.5) AF24(10.5,-12.5) AF25(11.5,-12.5) AF26(12.5,-12.5) B1(-12.5,11.5) B2(-11.5,11.5) B3(-10.5,11.5) B4(-9.5,11.5) B5(-8.5,11.5) B6(-7.5,11.5) B7(-6.5,11.5) B8(-5.5,11.5) B9(-4.5,11.5) B10(-3.5,11.5) B11(-2.5,11.5) B12(-1.5,11.5) B13(-0.5,11.5) B14(0.5,11.5) B15(1.5,11.5) B16(2.5,11.5) B17(3.5,11.5) B18(4.5,11.5) B19(5.5,11.5) B20(6.5,11.5) B21(7.5,11.5) B22(8.5,11.5) B23(9.5,11.5) B24(10.5,11.5) B25(11.5,11.5) B26(12.5,11.5) C1(-12.5,10.5) C2(-11.5,10.5) C3(-10.5,10.5) C4(-9.5,10.5) C5(-8.5,10.5) C6(-7.5,10.5) C7(-6.5,10.5) C8(-5.5,10.5) C9(-4.5,10.5) C10(-3.5,10.5) C11(-2.5,10.5) C12(-1.5,10.5) C13(-0.5,10.5) C14(0.5,10.5) C15(1.5,10.5) C16(2.5,10.5) C17(3.5,10.5) C18(4.5,10.5) C19(5.5,10.5) C20(6.5,10.5) C21(7.5,10.5) C22(8.5,10.5) C23(9.5,10.5) C24(10.5,10.5) C25(11.5,10.5) C26(12.5,10.5) D1(-12.5,9.5) D2(-11.5,9.5) D3(-10.5,9.5) D4(-9.5,9.5) D5(-8.5,9.5) D6(-7.5,9.5) D7(-6.5,9.5) D8(-5.5,9.5) D9(-4.5,9.5) D10(-3.5,9.5) D11(-2.5,9.5) D12(-1.5,9.5) D13(-0.5,9.5) D14(0.5,9.5) D15(1.5,9.5) D16(2.5,9.5) D17(3.5,9.5) D18(4.5,9.5) D19(5.5,9.5) D20(6.5,9.5) D21(7.5,9.5) D22(8.5,9.5) D23(9.5,9.5) D24(10.5,9.5) D25(11.5,9.5) D26(12.5,9.5) E1(-12.5,8.5) E2(-11.5,8.5) E3(-10.5,8.5) E4(-9.5,8.5) E5(-8.5,8.5) E6(-7.5,8.5) E7(-6.5,8.5) E8(-5.5,8.5) E9(-4.5,8.5) E10(-3.5,8.5) E11(-2.5,8.5) E12(-1.5,8.5) E13(-0.5,8.5) E14(0.5,8.5) E15(1.5,8.5) E16(2.5,8.5) E17(3.5,8.5) E18(4.5,8.5) E19(5.5,8.5) E20(6.5,8.5) E21(7.5,8.5) E22(8.5,8.5) E23(9.5,8.5) E24(10.5,8.5) E25(11.5,8.5) E26(12.5,8.5) F1(-12.5,7.5) F2(-11.5,7.5) F3(-10.5,7.5) F4(-9.5,7.5) F5(-8.5,7.5) F6(-7.5,7.5) F7(-6.5,7.5) F8(-5.5,7.5) F9(-4.5,7.5) F10(-3.5,7.5) F11(-2.5,7.5) F12(-1.5,7.5) F13(-0.5,7.5) F14(0.5,7.5) F15(1.5,7.5) F16(2.5,7.5) F17(3.5,7.5) F18(4.5,7.5) F19(5.5,7.5) F20(6.5,7.5) F21(7.5,7.5) F22(8.5,7.5) F23(9.5,7.5) F24(10.5,7.5) F25(11.5,7.5) F26(12.5,7.5) G1(-12.5,6.5) G2(-11.5,6.5) G3(-10.5,6.5) G4(-9.5,6.5) G5(-8.5,6.5) G6(-7.5,6.5) G7(-6.5,6.5) G8(-5.5,6.5) G9(-4.5,6.5) G10(-3.5,6.5) G11(-2.5,6.5) G12(-1.5,6.5) G13(-0.5,6.5) G14(0.5,6.5) G15(1.5,6.5) G16(2.5,6.5) G17(3.5,6.5) G18(4.5,6.5) G19(5.5,6.5) G20(6.5,6.5) G21(7.5,6.5) G22(8.5,6.5) G23(9.5,6.5) G24(10.5,6.5) G25(11.5,6.5) G26(12.5,6.5) H1(-12.5,5.5) H2(-11.5,5.5) H3(-10.5,5.5) H4(-9.5,5.5) H5(-8.5,5.5) H6(-7.5,5.5) H7(-6.5,5.5) H8(-5.5,5.5) H9(-4.5,5.5) H10(-3.5,5.5) H11(-2.5,5.5) H12(-1.5,5.5) H13(-0.5,5.5) H14(0.5,5.5) H15(1.5,5.5) H16(2.5,5.5) H17(3.5,5.5) H18(4.5,5.5) H19(5.5,5.5) H20(6.5,5.5) H21(7.5,5.5) H22(8.5,5.5) H23(9.5,5.5) H24(10.5,5.5) H25(11.5,5.5) H26(12.5,5.5) J1(-12.5,4.5) J2(-11.5,4.5) J3(-10.5,4.5) J4(-9.5,4.5) J5(-8.5,4.5) J6(-7.5,4.5) J7(-6.5,4.5) J8(-5.5,4.5) J9(-4.5,4.5) J10(-3.5,4.5) J11(-2.5,4.5) J12(-1.5,4.5) J13(-0.5,4.5) J14(0.5,4.5) J15(1.5,4.5) J16(2.5,4.5) J17(3.5,4.5) J18(4.5,4.5) J19(5.5,4.5) J20(6.5,4.5) J21(7.5,4.5) J22(8.5,4.5) J23(9.5,4.5) J24(10.5,4.5) J25(11.5,4.5) J26(12.5,4.5) K1(-12.5,3.5) K2(-11.5,3.5) K3(-10.5,3.5) K4(-9.5,3.5) K5(-8.5,3.5) K6(-7.5,3.5) K7(-6.5,3.5) K8(-5.5,3.5) K9(-4.5,3.5) K10(-3.5,3.5) K11(-2.5,3.5) K12(-1.5,3.5) K13(-0.5,3.5) K14(0.5,3.5) K15(1.5,3.5) K16(2.5,3.5) K17(3.5,3.5) K18(4.5,3.5) K19(5.5,3.5) K20(6.5,3.5) K21(7.5,3.5) K22(8.5,3.5) K23(9.5,3.5) K24(10.5,3.5) K25(11.5,3.5) K26(12.5,3.5) L1(-12.5,2.5) L2(-11.5,2.5) L3(-10.5,2.5) L4(-9.5,2.5) L5(-8.5,2.5) L6(-7.5,2.5) L7(-6.5,2.5) L8(-5.5,2.5) L9(-4.5,2.5) L10(-3.5,2.5) L11(-2.5,2.5) L12(-1.5,2.5) L13(-0.5,2.5) L14(0.5,2.5) L15(1.5,2.5) L16(2.5,2.5) L17(3.5,2.5) L18(4.5,2.5) L19(5.5,2.5) L20(6.5,2.5) L21(7.5,2.5) L22(8.5,2.5) L23(9.5,2.5) L24(10.5,2.5) L25(11.5,2.5) L26(12.5,2.5) M1(-12.5,1.5) M2(-11.5,1.5) M3(-10.5,1.5) M4(-9.5,1.5) M5(-8.5,1.5) M6(-7.5,1.5) M7(-6.5,1.5) M8(-5.5,1.5) M9(-4.5,1.5) M10(-3.5,1.5) M11(-2.5,1.5) M12(-1.5,1.5) M13(-0.5,1.5) M14(0.5,1.5) M15(1.5,1.5) M16(2.5,1.5) M17(3.5,1.5) M18(4.5,1.5) M19(5.5,1.5) M20(6.5,1.5) M21(7.5,1.5) M22(8.5,1.5) M23(9.5,1.5) M24(10.5,1.5) M25(11.5,1.5) M26(12.5,1.5) N1(-12.5,0.5) N2(-11.5,0.5) N3(-10.5,0.5) N4(-9.5,0.5) N5(-8.5,0.5) N6(-7.5,0.5) N7(-6.5,0.5) N8(-5.5,0.5) N9(-4.5,0.5) N10(-3.5,0.5) N11(-2.5,0.5) N12(-1.5,0.5) N13(-0.5,0.5) N14(0.5,0.5) N15(1.5,0.5) N16(2.5,0.5) N17(3.5,0.5) N18(4.5,0.5) N19(5.5,0.5) N20(6.5,0.5) N21(7.5,0.5) N22(8.5,0.5) N23(9.5,0.5) N24(10.5,0.5) N25(11.5,0.5) N26(12.5,0.5) P1(-12.5,-0.5) P2(-11.5,-0.5) P3(-10.5,-0.5) P4(-9.5,-0.5) P5(-8.5,-0.5) P6(-7.5,-0.5) P7(-6.5,-0.5) P8(-5.5,-0.5) P9(-4.5,-0.5) P10(-3.5,-0.5) P11(-2.5,-0.5) P12(-1.5,-0.5) P13(-0.5,-0.5) P14(0.5,-0.5) P15(1.5,-0.5) P16(2.5,-0.5) P17(3.5,-0.5) P18(4.5,-0.5) P19(5.5,-0.5) P20(6.5,-0.5) P21(7.5,-0.5) P22(8.5,-0.5) P23(9.5,-0.5) P24(10.5,-0.5) P25(11.5,-0.5) P26(12.5,-0.5) R1(-12.5,-1.5) R2(-11.5,-1.5) R3(-10.5,-1.5) R4(-9.5,-1.5) R5(-8.5,-1.5) R6(-7.5,-1.5) R7(-6.5,-1.5) R8(-5.5,-1.5) R9(-4.5,-1.5) R10(-3.5,-1.5) R11(-2.5,-1.5) R12(-1.5,-1.5) R13(-0.5,-1.5) R14(0.5,-1.5) R15(1.5,-1.5) R16(2.5,-1.5) R17(3.5,-1.5) R18(4.5,-1.5) R19(5.5,-1.5) R20(6.5,-1.5) R21(7.5,-1.5) R22(8.5,-1.5) R23(9.5,-1.5) R24(10.5,-1.5) R25(11.5,-1.5) R26(12.5,-1.5) T1(-12.5,-2.5) T2(-11.5,-2.5) T3(-10.5,-2.5) T4(-9.5,-2.5) T5(-8.5,-2.5) T6(-7.5,-2.5) T7(-6.5,-2.5) T8(-5.5,-2.5) T9(-4.5,-2.5) T10(-3.5,-2.5) T11(-2.5,-2.5) T12(-1.5,-2.5) T13(-0.5,-2.5) T14(0.5,-2.5) T15(1.5,-2.5) T16(2.5,-2.5) T17(3.5,-2.5) T18(4.5,-2.5) T19(5.5,-2.5) T20(6.5,-2.5) T21(7.5,-2.5) T22(8.5,-2.5) T23(9.5,-2.5) T24(10.5,-2.5) T25(11.5,-2.5) T26(12.5,-2.5) U1(-12.5,-3.5) U2(-11.5,-3.5) U3(-10.5,-3.5) U4(-9.5,-3.5) U5(-8.5,-3.5) U6(-7.5,-3.5) U7(-6.5,-3.5) U8(-5.5,-3.5) U9(-4.5,-3.5) U10(-3.5,-3.5) U11(-2.5,-3.5) U12(-1.5,-3.5) U13(-0.5,-3.5) U14(0.5,-3.5) U15(1.5,-3.5) U16(2.5,-3.5) U17(3.5,-3.5) U18(4.5,-3.5) U19(5.5,-3.5) U20(6.5,-3.5) U21(7.5,-3.5) U22(8.5,-3.5) U23(9.5,-3.5) U24(10.5,-3.5) U25(11.5,-3.5) U26(12.5,-3.5) V1(-12.5,-4.5) V2(-11.5,-4.5) V3(-10.5,-4.5) V4(-9.5,-4.5) V5(-8.5,-4.5) V6(-7.5,-4.5) V7(-6.5,-4.5) V8(-5.5,-4.5) V9(-4.5,-4.5) V10(-3.5,-4.5) V11(-2.5,-4.5) V12(-1.5,-4.5) V13(-0.5,-4.5) V14(0.5,-4.5) V15(1.5,-4.5) V16(2.5,-4.5) V17(3.5,-4.5) V18(4.5,-4.5) V19(5.5,-4.5) V20(6.5,-4.5) V21(7.5,-4.5) V22(8.5,-4.5) V23(9.5,-4.5) V24(10.5,-4.5) V25(11.5,-4.5) V26(12.5,-4.5) W1(-12.5,-5.5) W2(-11.5,-5.5) W3(-10.5,-5.5) W4(-9.5,-5.5) W5(-8.5,-5.5) W6(-7.5,-5.5) W7(-6.5,-5.5) W8(-5.5,-5.5) W9(-4.5,-5.5) W10(-3.5,-5.5) W11(-2.5,-5.5) W12(-1.5,-5.5) W13(-0.5,-5.5) W14(0.5,-5.5) W15(1.5,-5.5) W16(2.5,-5.5) W17(3.5,-5.5) W18(4.5,-5.5) W19(5.5,-5.5) W20(6.5,-5.5) W21(7.5,-5.5) W22(8.5,-5.5) W23(9.5,-5.5) W24(10.5,-5.5) W25(11.5,-5.5) W26(12.5,-5.5) Y1(-12.5,-6.5) Y2(-11.5,-6.5) Y3(-10.5,-6.5) Y4(-9.5,-6.5) Y5(-8.5,-6.5) Y6(-7.5,-6.5) Y7(-6.5,-6.5) Y8(-5.5,-6.5) Y9(-4.5,-6.5) Y10(-3.5,-6.5) Y11(-2.5,-6.5) Y12(-1.5,-6.5) Y13(-0.5,-6.5) Y14(0.5,-6.5) Y15(1.5,-6.5) Y16(2.5,-6.5) Y17(3.5,-6.5) Y18(4.5,-6.5) Y19(5.5,-6.5) Y20(6.5,-6.5) Y21(7.5,-6.5) Y22(8.5,-6.5) Y23(9.5,-6.5) Y24(10.5,-6.5) Y25(11.5,-6.5) Y26(12.5,-6.5)
